# KiCad board Breadboard_power_supply.kicad_pcb (continued)
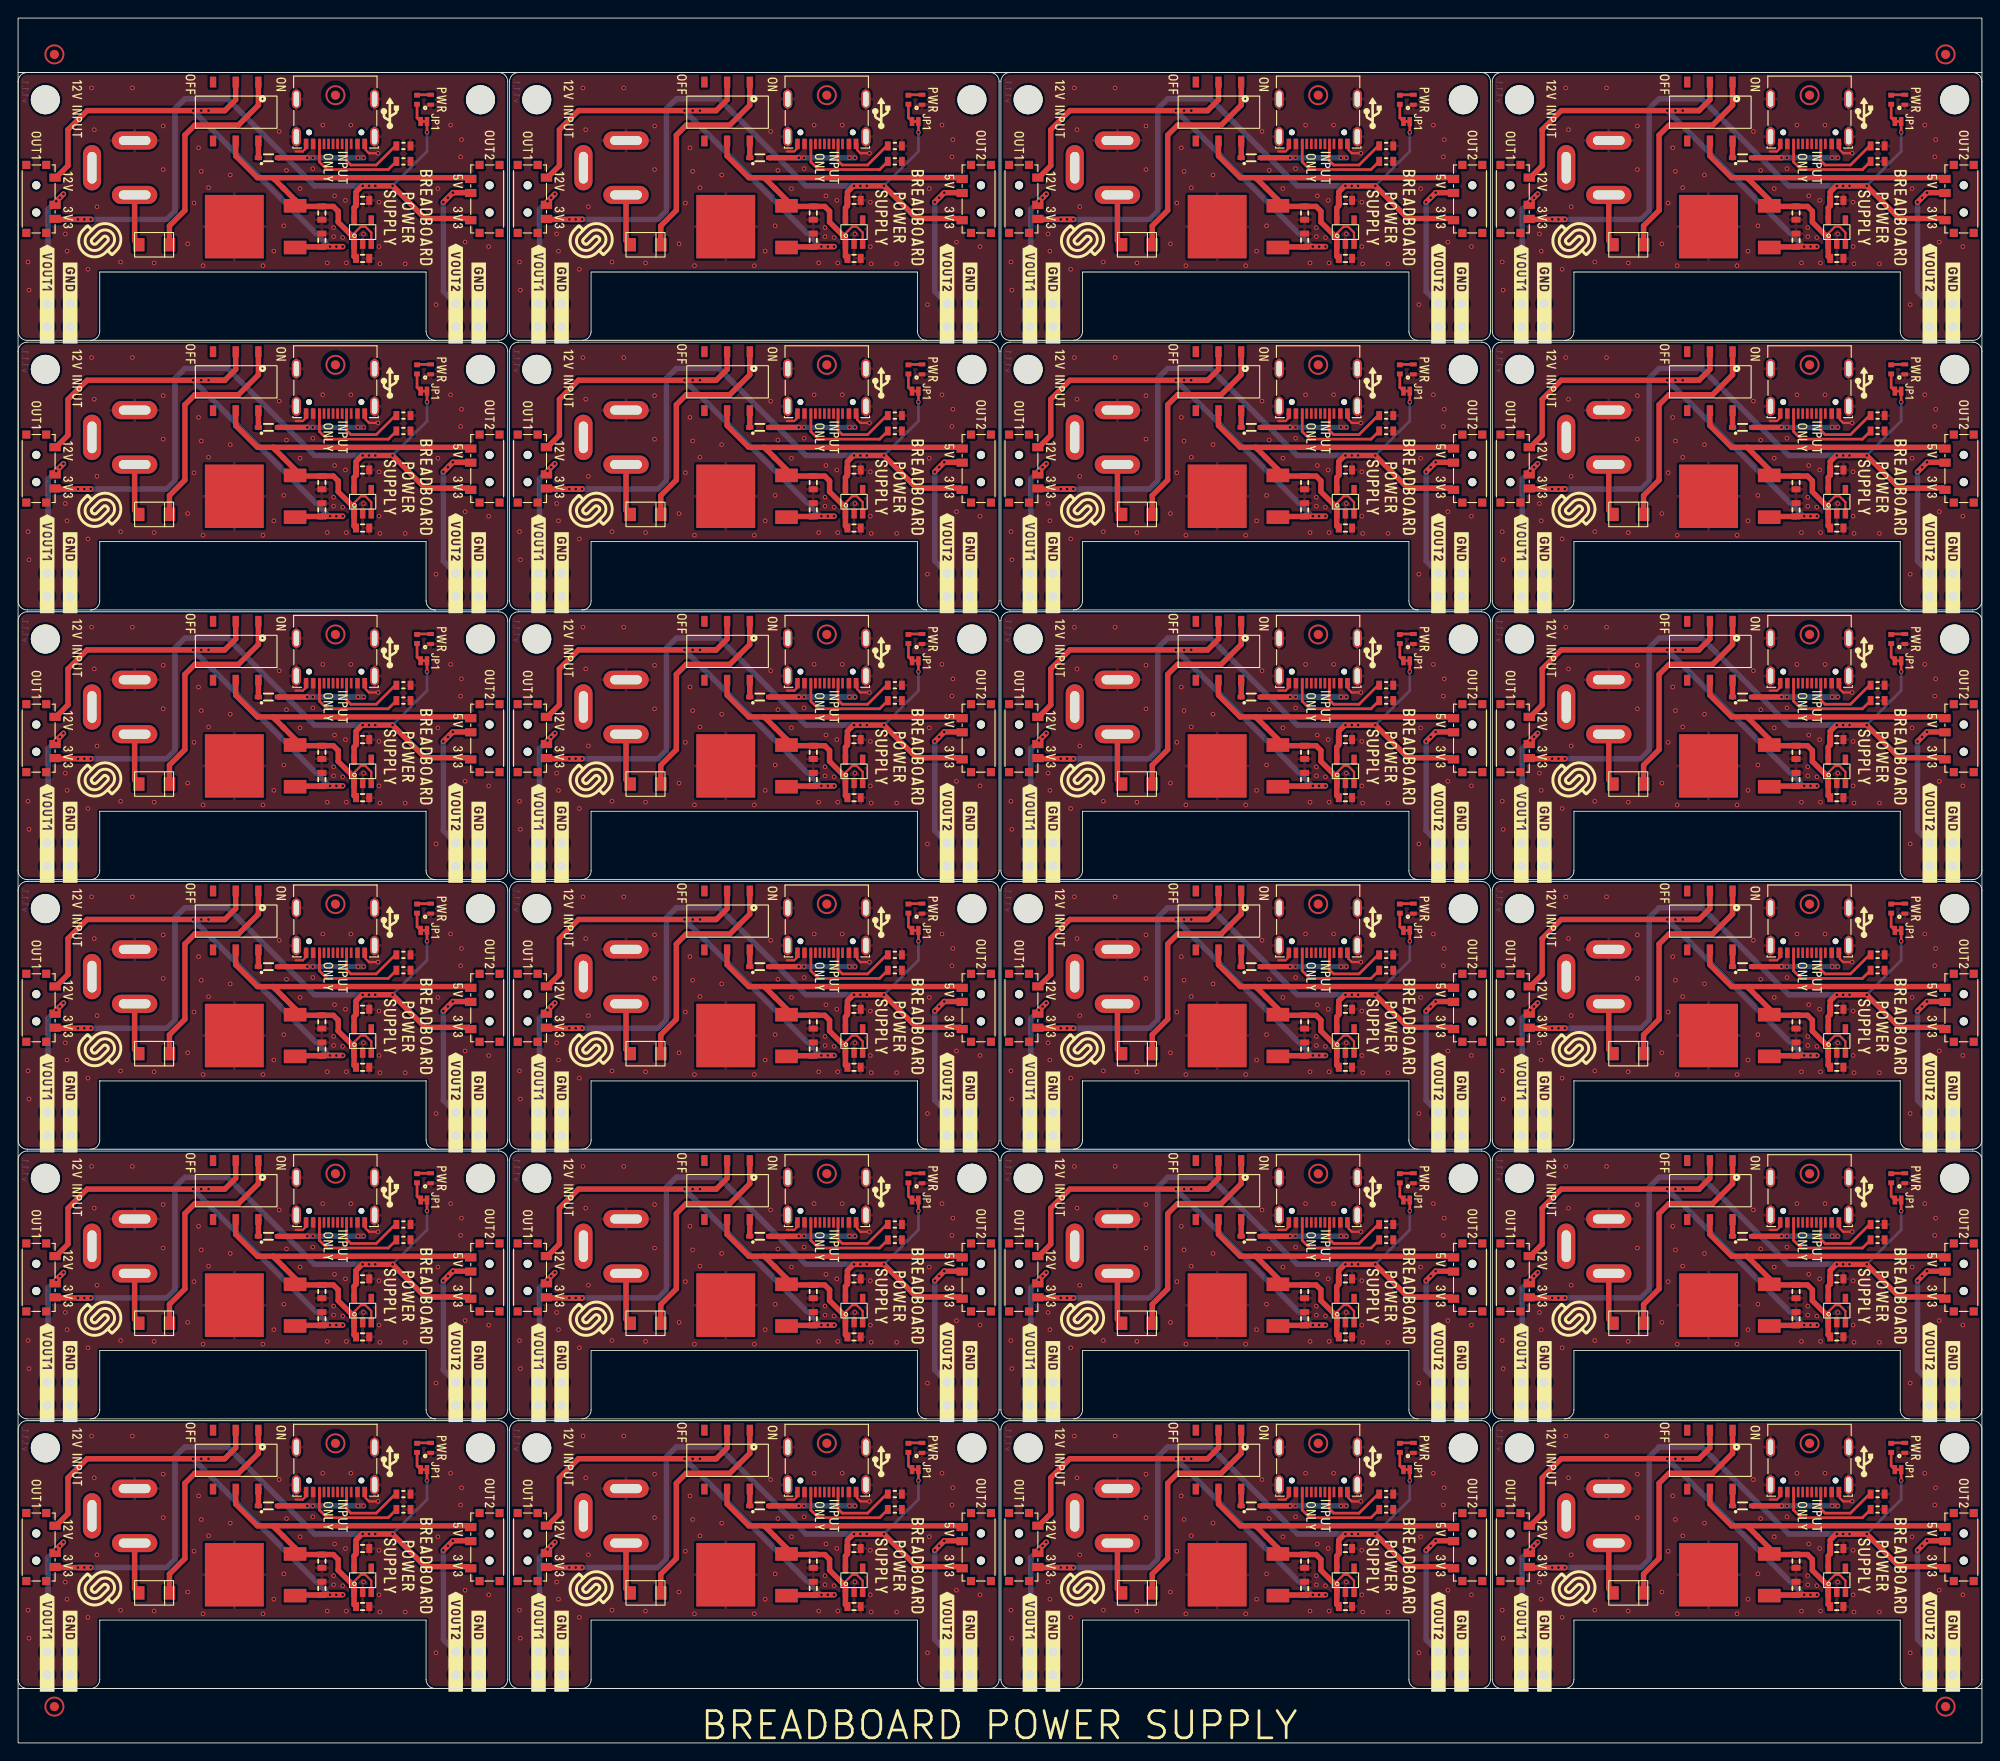
[diagram p0: board, top side]
## Placement (name value [footprint] x y rotation side) (continued)
K2#7  -  [DC_JACK]  173.1 173.74 90 top
K2#8  -  [DC_JACK]  173.1 54.78 90 top
K2#9  -  [DC_JACK]  118.9 114.26 90 top
K2#10  -  [DC_JACK]  64.7 144 90 top
K2#11  -  [DC_JACK]  118.9 54.78 90 top
K2#12  -  [DC_JACK]  173.1 25.04 90 top
K2#13  -  [DC_JACK]  173.1 114.26 90 top
K2#14  -  [DC_JACK]  118.9 25.04 90 top
K2#15  -  [DC_JACK]  64.7 54.78 90 top
K2#16  -  [DC_JACK]  173.1 144 90 top
K2#17  -  [DC_JACK]  64.7 114.26 90 top
K2#18  -  [DC_JACK]  118.9 84.52 90 top
K2#19  -  [DC_JACK]  10.5 25.04 90 top
K2#20  -  [DC_JACK]  10.5 54.78 90 top
K2#21  -  [DC_JACK]  10.5 114.26 90 top
K2#22  -  [DC_JACK]  173.1 84.52 90 top
K2#23  -  [DC_JACK]  10.5 84.52 90 top
K2#24  -  [DC_JACK]  118.9 144 90 top
K3  -  [HEADER_MALE_2X1]  58.67 10.04 180 bottom
K3#2  -  [HEADER_MALE_2X1]  58.67 69.52 180 bottom
K3#3  -  [HEADER_MALE_2X1]  4.47 129 180 bottom
K3#4  -  [HEADER_MALE_2X1]  58.67 158.74 180 bottom
K3#5  -  [HEADER_MALE_2X1]  58.67 129 180 bottom
K3#6  -  [HEADER_MALE_2X1]  4.47 158.74 180 bottom
K3#7  -  [HEADER_MALE_2X1]  167.07 39.78 180 bottom
K3#8  -  [HEADER_MALE_2X1]  167.07 158.74 180 bottom
K3#9  -  [HEADER_MALE_2X1]  4.47 69.52 180 bottom
K3#10  -  [HEADER_MALE_2X1]  112.87 158.74 180 bottom
K3#11  -  [HEADER_MALE_2X1]  4.47 10.04 180 bottom
K3#12  -  [HEADER_MALE_2X1]  167.07 99.26 180 bottom
K3#13  -  [HEADER_MALE_2X1]  58.67 99.26 180 bottom
K3#14  -  [HEADER_MALE_2X1]  167.07 69.52 180 bottom
K3#15  -  [HEADER_MALE_2X1]  112.87 39.78 180 bottom
K3#16  -  [HEADER_MALE_2X1]  112.87 99.26 180 bottom
K3#17  -  [HEADER_MALE_2X1]  112.87 129 180 bottom
K3#18  -  [HEADER_MALE_2X1]  112.87 69.52 180 bottom
K3#19  -  [HEADER_MALE_2X1]  4.47 39.78 180 bottom
K3#20  -  [HEADER_MALE_2X1]  167.07 129 180 bottom
K3#21  -  [HEADER_MALE_2X1]  167.07 10.04 180 bottom
K3#22  -  [HEADER_MALE_2X1]  4.47 99.26 180 bottom
K3#23  -  [HEADER_MALE_2X1]  112.87 10.04 180 bottom
K3#24  -  [HEADER_MALE_2X1]  58.67 39.78 180 bottom
K4  -  [HEADER_MALE_2X1]  103.73 69.52 180 bottom
K4#2  -  [HEADER_MALE_2X1]  212.13 99.26 180 bottom
K4#3  -  [HEADER_MALE_2X1]  157.93 10.04 180 bottom
K4#4  -  [HEADER_MALE_2X1]  157.93 99.26 180 bottom
K4#5  -  [HEADER_MALE_2X1]  212.13 10.04 180 bottom
K4#6  -  [HEADER_MALE_2X1]  49.53 99.26 180 bottom
K4#7  -  [HEADER_MALE_2X1]  49.53 39.78 180 bottom
K4#8  -  [HEADER_MALE_2X1]  49.53 129 180 bottom
K4#9  -  [HEADER_MALE_2X1]  49.53 10.04 180 bottom
K4#10  -  [HEADER_MALE_2X1]  157.93 69.52 180 bottom
K4#11  -  [HEADER_MALE_2X1]  212.13 39.78 180 bottom
K4#12  -  [HEADER_MALE_2X1]  103.73 39.78 180 bottom
K4#13  -  [HEADER_MALE_2X1]  103.73 129 180 bottom
K4#14  -  [HEADER_MALE_2X1]  49.53 158.74 180 bottom
K4#15  -  [HEADER_MALE_2X1]  157.93 129 180 bottom
K4#16  -  [HEADER_MALE_2X1]  103.73 158.74 180 bottom
K4#17  -  [HEADER_MALE_2X1]  157.93 158.74 180 bottom
K4#18  -  [HEADER_MALE_2X1]  103.73 10.04 180 bottom
K4#19  -  [HEADER_MALE_2X1]  49.53 69.52 180 bottom
K4#20  -  [HEADER_MALE_2X1]  212.13 129 180 bottom
K4#21  -  [HEADER_MALE_2X1]  103.73 99.26 180 bottom
K4#22  -  [HEADER_MALE_2X1]  157.93 39.78 180 bottom
K4#23  -  [HEADER_MALE_2X1]  212.13 158.74 180 bottom
K4#24  -  [HEADER_MALE_2X1]  212.13 69.52 180 bottom
K5  -  [HEADER_MALE_2X1]  167.07 7.5 180 bottom
K5#2  -  [HEADER_MALE_2X1]  4.47 156.2 180 bottom
K5#3  -  [HEADER_MALE_2X1]  112.87 37.24 180 bottom
K5#4  -  [HEADER_MALE_2X1]  58.67 156.2 180 bottom
K5#5  -  [HEADER_MALE_2X1]  167.07 66.98 180 bottom
K5#6  -  [HEADER_MALE_2X1]  4.47 37.24 180 bottom
K5#7  -  [HEADER_MALE_2X1]  4.47 126.46 180 bottom
K5#8  -  [HEADER_MALE_2X1]  58.67 126.46 180 bottom
K5#9  -  [HEADER_MALE_2X1]  58.67 66.98 180 bottom
K5#10  -  [HEADER_MALE_2X1]  58.67 7.5 180 bottom
K5#11  -  [HEADER_MALE_2X1]  112.87 126.46 180 bottom
K5#12  -  [HEADER_MALE_2X1]  167.07 96.72 180 bottom
K5#13  -  [HEADER_MALE_2X1]  112.87 66.98 180 bottom
K5#14  -  [HEADER_MALE_2X1]  112.87 7.5 180 bottom
K5#15  -  [HEADER_MALE_2X1]  58.67 96.72 180 bottom
K5#16  -  [HEADER_MALE_2X1]  167.07 126.46 180 bottom
K5#17  -  [HEADER_MALE_2X1]  112.87 96.72 180 bottom
K5#18  -  [HEADER_MALE_2X1]  112.87 156.2 180 bottom
K5#19  -  [HEADER_MALE_2X1]  4.47 66.98 180 bottom
K5#20  -  [HEADER_MALE_2X1]  58.67 37.24 180 bottom
K5#21  -  [HEADER_MALE_2X1]  167.07 156.2 180 bottom
K5#22  -  [HEADER_MALE_2X1]  4.47 96.72 180 bottom
K5#23  -  [HEADER_MALE_2X1]  167.07 37.24 180 bottom
K5#24  -  [HEADER_MALE_2X1]  4.47 7.5 180 bottom
K6  -  [HEADER_MALE_2X1]  103.73 66.98 180 bottom
K6#2  -  [HEADER_MALE_2X1]  157.93 66.98 180 bottom
K6#3  -  [HEADER_MALE_2X1]  49.53 156.2 180 bottom
K6#4  -  [HEADER_MALE_2X1]  212.13 156.2 180 bottom
K6#5  -  [HEADER_MALE_2X1]  157.93 96.72 180 bottom
K6#6  -  [HEADER_MALE_2X1]  212.13 126.46 180 bottom
K6#7  -  [HEADER_MALE_2X1]  157.93 156.2 180 bottom
K6#8  -  [HEADER_MALE_2X1]  103.73 96.72 180 bottom
K6#9  -  [HEADER_MALE_2X1]  103.73 126.46 180 bottom
K6#10  -  [HEADER_MALE_2X1]  157.93 7.5 180 bottom
K6#11  -  [HEADER_MALE_2X1]  103.73 156.2 180 bottom
K6#12  -  [HEADER_MALE_2X1]  103.73 37.24 180 bottom
K6#13  -  [HEADER_MALE_2X1]  49.53 96.72 180 bottom
K6#14  -  [HEADER_MALE_2X1]  157.93 126.46 180 bottom
K6#15  -  [HEADER_MALE_2X1]  157.93 37.24 180 bottom
K6#16  -  [HEADER_MALE_2X1]  49.53 7.5 180 bottom
K6#17  -  [HEADER_MALE_2X1]  212.13 66.98 180 bottom
K6#18  -  [HEADER_MALE_2X1]  49.53 126.46 180 bottom
K6#19  -  [HEADER_MALE_2X1]  212.13 7.5 180 bottom
K6#20  -  [HEADER_MALE_2X1]  49.53 37.24 180 bottom
K6#21  -  [HEADER_MALE_2X1]  212.13 96.72 180 bottom
K6#22  -  [HEADER_MALE_2X1]  212.13 37.24 180 bottom
K6#23  -  [HEADER_MALE_2X1]  49.53 66.98 180 bottom
K6#24  -  [HEADER_MALE_2X1]  103.73 7.5 180 bottom
NOREF  -  [buzzardLabel]  160.4 176.24 270 top
NOREF#2  -  [buzzardLabel]  100.9 92.02 270 top
NOREF#3  -  [buzzardLabel]  3.2 153.94 270 top
NOREF#4  -  [buzzardLabel]  205.6 79.02 270 top
NOREF#5  -  [buzzardLabel]  114.14 153.94 270 top
NOREF#6  -  [buzzardLabel]  214.6 116.76 270 top
NOREF#7  -  [buzzardLabel]  48.5 138.5 270 top
NOREF#8  -  [buzzardLabel]  160.4 146.5 270 top
NOREF#9  -  [buzzardLabel]  57.4 64.72 270 top
NOREF#10  -  [buzzardLabel]  168.34 94.46 270 top
NOREF#11  -  [buzzardLabel]  105 94.46 270 top
NOREF#12  -  [buzzardLabel]  59.7 19.54 270 top
NOREF#13  -  [buzzardLabel]  45 168.24 270 top
NOREF#14  -  [buzzardLabel]  29 93.72 270 top
NOREF#15  -  [buzzardLabel]  208.6 59.88 270 top
NOREF#16  -  [buzzardLabel]  207.6 19.54 270 top
NOREF#17  -  [buzzardLabel]  100.2 59.88 270 top
NOREF#18  -  [buzzardLabel]  207.6 168.24 270 top
NOREF#19  -  [buzzardLabel]  144.2 54.78 270 top
NOREF#20  -  [buzzardLabel]  213.4 124.2 270 top
NOREF#21  -  [buzzardLabel]  90 114.26 270 top
NOREF#22  -  [buzzardLabel]  60.7 91.02 270 top
NOREF#23  -  [buzzardLabel]  155.1 151.5 270 top
NOREF#24  -  [buzzardLabel]  34.2 144 270 top
NOREF#25  -  [buzzardLabel]  41 138.5 270 top
NOREF#26  -  [buzzardLabel]  100.2 30.14 270 top
NOREF#27  -  [buzzardLabel]  164.6 87.02 270 top
NOREF#28  -  [buzzardLabel]  203.6 108.76 270 top
NOREF#29  -  [buzzardLabel]  196.8 25.04 270 top
NOREF#30  -  [buzzardLabel]  34.2 84.52 270 top
NOREF#31  -  [buzzardLabel]  5.5 23.54 270 top
NOREF#32  -  [buzzardLabel]  149.4 49.28 270 top
NOREF#33  -  [buzzardLabel]  156.9 112.76 270 top
NOREF#34  -  [buzzardLabel]  90 144 270 top
NOREF#35  -  [buzzardLabel]  159.2 5.24 270 top
NOREF#36  -  [buzzardLabel]  106.2 176.24 270 top
NOREF#37  -  [buzzardLabel]  95.2 168.24 270 top
NOREF#38  -  [buzzardLabel]  113.9 142.5 270 top
NOREF#39  -  [buzzardLabel]  205.6 168.24 270 top
NOREF#40  -  [buzzardLabel]  169.1 120.76 270 top
NOREF#41  -  [buzzardLabel]  48.5 49.28 270 top
NOREF#42  -  [buzzardLabel]  111.6 5.24 270 top
NOREF#43  -  [buzzardLabel]  95.2 49.28 270 top
NOREF#44  -  [buzzardLabel]  156.66 124.2 270 top
NOREF#45  -  [buzzardLabel]  48.5 19.54 270 top
NOREF#46  -  [buzzardLabel]  88.4 54.78 270 top
NOREF#47  -  [buzzardLabel]  102.46 94.46 270 top
NOREF#48  -  [buzzardLabel]  41 79.02 270 top
NOREF#49  -  [buzzardLabel]  102.7 138.5 270 top
NOREF#50  -  [buzzardLabel]  196.8 173.74 270 top
NOREF#51  -  [buzzardLabel]  196.8 114.26 270 top
NOREF#52  -  [buzzardLabel]  159.2 153.94 270 top
NOREF#53  -  [buzzardLabel]  5.5 19.54 270 top
NOREF#54  -  [buzzardLabel]  137.4 63.98 270 top
NOREF#55  -  [buzzardLabel]  73.2 63.98 270 top
NOREF#56  -  [buzzardLabel]  209.3 32.54 270 top
NOREF#57  -  [buzzardLabel]  52 57.28 270 top
NOREF#58  -  [buzzardLabel]  154.4 30.14 270 top
NOREF#59  -  [buzzardLabel]  46 178.84 270 top
NOREF#60  -  [buzzardLabel]  114.9 61.28 270 top
NOREF#61  -  [buzzardLabel]  153.4 49.28 270 top
NOREF#62  -  [buzzardLabel]  50.8 124.2 270 top
NOREF#63  -  [buzzardLabel]  142.6 173.74 270 top
NOREF#64  -  [buzzardLabel]  102.7 23.54 270 top
NOREF#65  -  [buzzardLabel]  168.34 5.24 270 top
NOREF#66  -  [buzzardLabel]  3.2 124.2 270 top
NOREF#67  -  [buzzardLabel]  34.2 25.04 270 top
NOREF#68  -  [buzzardLabel]  90 25.04 270 top
NOREF#69  -  [buzzardLabel]  114.14 94.46 270 top
NOREF#70  -  [buzzardLabel]  46.7 151.5 270 top
NOREF#71  -  [buzzardLabel]  59.7 108.76 270 top
NOREF#72  -  [buzzardLabel]  45 49.28 270 top
NOREF#73  -  [buzzardLabel]  155.1 62.28 270 top
NOREF#74  -  [buzzardLabel]  57.4 5.24 270 top
NOREF#75  -  [buzzardLabel]  114.9 91.02 270 top
NOREF#76  -  [buzzardLabel]  156.66 153.94 270 top
NOREF#77  -  [buzzardLabel]  100.2 119.36 270 top
NOREF#78  -  [buzzardLabel]  97.2 168.24 270 top
NOREF#79  -  [buzzardLabel]  46 59.88 270 top
NOREF#80  -  [buzzardLabel]  59.7 83.02 270 top
NOREF#81  -  [buzzardLabel]  46 89.62 270 top
NOREF#82  -  [buzzardLabel]  102.46 5.24 270 top
NOREF#83  -  [buzzardLabel]  156.9 172.24 270 top
NOREF#84  -  [buzzardLabel]  151.4 138.5 270 top
NOREF#85  -  [buzzardLabel]  144.2 25.04 270 top
NOREF#86  -  [buzzardLabel]  211.1 142.5 270 top
NOREF#87  -  [buzzardLabel]  208.6 178.84 270 top
NOREF#88  -  [buzzardLabel]  142.6 54.78 270 top
NOREF#89  -  [buzzardLabel]  97.2 108.76 270 top
NOREF#90  -  [buzzardLabel]  111.6 153.94 270 top
NOREF#91  -  [buzzardLabel]  151.4 49.28 270 top
NOREF#92  -  [buzzardLabel]  48.5 23.54 270 top
NOREF#93  -  [buzzardLabel]  168.34 124.2 270 top
NOREF#94  -  [buzzardLabel]  102.7 79.02 270 top
NOREF#95  -  [buzzardLabel]  46 30.14 270 top
NOREF#96  -  [buzzardLabel]  2 87.02 270 top
NOREF#97  -  [buzzardLabel]  5.74 64.72 270 top
NOREF#98  -  [buzzardLabel]  156.9 138.5 270 top
NOREF#99  -  [buzzardLabel]  154.4 149.1 270 top
NOREF#100  -  [buzzardLabel]  156.66 64.72 270 top
NOREF#101  -  [buzzardLabel]  56.2 146.5 270 top
NOREF#102  -  [buzzardLabel]  6.5 180.24 270 top
NOREF#103  -  [buzzardLabel]  19 34.24 270 top
NOREF#104  -  [buzzardLabel]  45 138.5 270 top
NOREF#105  -  [buzzardLabel]  29 63.98 270 top
NOREF#106  -  [buzzardLabel]  113.9 108.76 270 top
NOREF#107  -  [buzzardLabel]  102.7 112.76 270 top
NOREF#108  -  [buzzardLabel]  48.26 34.98 270 top
NOREF#109  -  [buzzardLabel]  113.9 172.24 270 top
NOREF#110  -  [buzzardLabel]  156.9 79.02 270 top
NOREF#111  -  [buzzardLabel]  60.7 120.76 270 top
NOREF#112  -  [buzzardLabel]  196.8 54.78 270 top
NOREF#113  -  [buzzardLabel]  160.4 57.28 270 top
NOREF#114  -  [buzzardLabel]  5.74 124.2 270 top
NOREF#115  -  [buzzardLabel]  214.6 57.28 270 top
NOREF#116  -  [buzzardLabel]  59.7 53.28 270 top
NOREF#117  -  [buzzardLabel]  56.2 87.02 270 top
NOREF#118  -  [buzzardLabel]  6.5 31.54 270 top
NOREF#119  -  [buzzardLabel]  83.2 34.24 270 top
NOREF#120  -  [buzzardLabel]  5.5 53.28 270 top
NOREF#121  -  [buzzardLabel]  52 87.02 270 top
NOREF#122  -  [buzzardLabel]  169.1 180.24 270 top
NOREF#123  -  [buzzardLabel]  106.2 146.5 270 top
NOREF#124  -  [buzzardLabel]  19 153.2 270 top
NOREF#125  -  [buzzardLabel]  198.4 144 270 top
NOREF#126  -  [buzzardLabel]  48.5 53.28 270 top
NOREF#127  -  [buzzardLabel]  127.4 93.72 270 top
NOREF#128  -  [buzzardLabel]  156.9 108.76 270 top
NOREF#129  -  [buzzardLabel]  191.6 182.94 270 top
NOREF#130  -  [buzzardLabel]  181.6 93.72 270 top
NOREF#131  -  [buzzardLabel]  210.86 124.2 270 top
NOREF#132  -  [buzzardLabel]  59.7 79.02 270 top
NOREF#133  -  [buzzardLabel]  5.5 142.5 270 top
NOREF#134  -  [buzzardLabel]  56.2 176.24 270 top
NOREF#135  -  [buzzardLabel]  169.1 91.02 270 top
NOREF#136  -  [buzzardLabel]  60.7 61.28 270 top
NOREF#137  -  [buzzardLabel]  88.4 114.26 270 top
NOREF#138  -  [buzzardLabel]  168.1 53.28 270 top
NOREF#139  -  [buzzardLabel]  165.8 64.72 270 top
NOREF#140  -  [buzzardLabel]  73.2 182.94 270 top
NOREF#141  -  [buzzardLabel]  211.1 168.24 270 top
NOREF#142  -  [buzzardLabel]  2 27.54 270 top
NOREF#143  -  [buzzardLabel]  41 19.54 270 top
NOREF#144  -  [buzzardLabel]  45 79.02 270 top
NOREF#145  -  [buzzardLabel]  59.94 153.94 270 top
NOREF#146  -  [buzzardLabel]  168.1 138.5 270 top
NOREF#147  -  [buzzardLabel]  106.2 27.54 270 top
NOREF#148  -  [buzzardLabel]  149.4 138.5 270 top
NOREF#149  -  [buzzardLabel]  34.2 114.26 270 top
NOREF#150  -  [buzzardLabel]  114.9 120.76 270 top
NOREF#151  -  [buzzardLabel]  90 173.74 270 top
NOREF#152  -  [buzzardLabel]  35.8 173.74 270 top
NOREF#153  -  [buzzardLabel]  181.6 182.94 270 top
NOREF#154  -  [buzzardLabel]  99.2 168.24 270 top
NOREF#155  -  [buzzardLabel]  59.94 64.72 270 top
NOREF#156  -  [buzzardLabel]  48.26 5.24 270 top
NOREF#157  -  [buzzardLabel]  191.6 153.2 270 top
NOREF#158  -  [buzzardLabel]  45 19.54 270 top
NOREF#159  -  [buzzardLabel]  105 64.72 270 top
NOREF#160  -  [buzzardLabel]  211.1 79.02 270 top
NOREF#161  -  [buzzardLabel]  203.6 138.5 270 top
NOREF#162  -  [buzzardLabel]  154.4 119.36 270 top
NOREF#163  -  [buzzardLabel]  149.4 19.54 270 top
NOREF#164  -  [buzzardLabel]  211.1 83.02 270 top
NOREF#165  -  [buzzardLabel]  100.2 149.1 270 top
NOREF#166  -  [buzzardLabel]  153.4 79.02 270 top
NOREF#167  -  [buzzardLabel]  144.2 173.74 270 top
NOREF#168  -  [buzzardLabel]  2 146.5 270 top
NOREF#169  -  [buzzardLabel]  43 138.5 270 top
NOREF#170  -  [buzzardLabel]  88.4 84.52 270 top
NOREF#171  -  [buzzardLabel]  48.5 83.02 270 top
NOREF#172  -  [buzzardLabel]  208.6 30.14 270 top
NOREF#173  -  [buzzardLabel]  57.4 124.2 270 top
NOREF#174  -  [buzzardLabel]  165.8 153.94 270 top
NOREF#175  -  [buzzardLabel]  99.2 79.02 270 top
NOREF#176  -  [buzzardLabel]  100.9 181.24 270 top
NOREF#177  -  [buzzardLabel]  168.1 83.02 270 top
NOREF#178  -  [buzzardLabel]  159.2 124.2 270 top
NOREF#179  -  [buzzardLabel]  83.2 182.94 270 top
NOREF#180  -  [buzzardLabel]  5.5 49.28 270 top
NOREF#181  -  [buzzardLabel]  100.9 121.76 270 top
NOREF#182  -  [buzzardLabel]  160.4 87.02 270 top
NOREF#183  -  [buzzardLabel]  48.26 94.46 270 top
NOREF#184  -  [buzzardLabel]  106.2 87.02 270 top
NOREF#185  -  [buzzardLabel]  59.7 172.24 270 top
NOREF#186  -  [buzzardLabel]  156.9 49.28 270 top
NOREF#187  -  [buzzardLabel]  59.7 138.5 270 top
NOREF#188  -  [buzzardLabel]  142.6 84.52 270 top
NOREF#189  -  [buzzardLabel]  41 108.76 270 top
NOREF#190  -  [buzzardLabel]  113.9 168.24 270 top
NOREF#191  -  [buzzardLabel]  196.8 84.52 270 top
NOREF#192  -  [buzzardLabel]  198.4 173.74 270 top
NOREF#193  -  [buzzardLabel]  113.9 53.28 270 top
NOREF#194  -  [buzzardLabel]  137.4 182.94 270 top
NOREF#195  -  [buzzardLabel]  168.1 23.54 270 top
NOREF#196  -  [buzzardLabel]  57.4 34.98 270 top
NOREF#197  -  [buzzardLabel]  111.6 124.2 270 top
NOREF#198  -  [buzzardLabel]  142.6 144 270 top
NOREF#199  -  [buzzardLabel]  50.8 64.72 270 top
NOREF#200  -  [buzzardLabel]  160.4 27.54 270 top
NOREF#201  -  [buzzardLabel]  3.2 64.72 270 top
NOREF#202  -  [buzzardLabel]  100.2 178.84 270 top
NOREF#203  -  [buzzardLabel]  6.5 61.28 270 top
NOREF#204  -  [buzzardLabel]  43 79.02 270 top
NOREF#205  -  [buzzardLabel]  59.7 23.54 270 top
NOREF#206  -  [buzzardLabel]  211.1 108.76 270 top
NOREF#207  -  [buzzardLabel]  210.86 153.94 270 top
NOREF#208  -  [buzzardLabel]  2 176.24 270 top
NOREF#209  -  [buzzardLabel]  142.6 114.26 270 top
NOREF#210  -  [buzzardLabel]  102.46 124.2 270 top
NOREF#211  -  [buzzardLabel]  164.6 146.5 270 top
NOREF#212  -  [buzzardLabel]  113.9 112.76 270 top
NOREF#213  -  [buzzardLabel]  169.1 31.54 270 top
NOREF#214  -  [buzzardLabel]  208.6 149.1 270 top
NOREF#215  -  [buzzardLabel]  211.1 53.28 270 top
NOREF#216  -  [buzzardLabel]  151.4 168.24 270 top
NOREF#217  -  [buzzardLabel]  191.6 63.98 270 top
NOREF#218  -  [buzzardLabel]  153.4 168.24 270 top
NOREF#219  -  [buzzardLabel]  164.6 57.28 270 top
NOREF#220  -  [buzzardLabel]  105 124.2 270 top
NOREF#221  -  [buzzardLabel]  106.2 116.76 270 top
NOREF#222  -  [buzzardLabel]  73.2 34.24 270 top
NOREF#223  -  [buzzardLabel]  60.7 150.5 270 top
NOREF#224  -  [buzzardLabel]  168.34 153.94 270 top
NOREF#225  -  [buzzardLabel]  156.9 19.54 270 top
NOREF#226  -  [buzzardLabel]  5.5 108.76 270 top
NOREF#227  -  [buzzardLabel]  48.5 172.24 270 top
NOREF#228  -  [buzzardLabel]  214.6 27.54 270 top
NOREF#229  -  [buzzardLabel]  5.74 94.46 270 top
NOREF#230  -  [buzzardLabel]  214.6 146.5 270 top
NOREF#231  -  [buzzardLabel]  203.6 79.02 270 top
NOREF#232  -  [buzzardLabel]  2 116.76 270 top
NOREF#233  -  [buzzardLabel]  168.1 172.24 270 top
NOREF#234  -  [buzzardLabel]  90 54.78 270 top
NOREF#235  -  [buzzardLabel]  110.4 87.02 270 top
NOREF#236  -  [buzzardLabel]  196.8 144 270 top
NOREF#237  -  [buzzardLabel]  46.7 32.54 270 top
NOREF#238  -  [buzzardLabel]  168.1 112.76 270 top
NOREF#239  -  [buzzardLabel]  102.46 34.98 270 top
NOREF#240  -  [buzzardLabel]  159.2 94.46 270 top
NOREF#241  -  [buzzardLabel]  29 182.94 270 top
NOREF#242  -  [buzzardLabel]  19 63.98 270 top
NOREF#243  -  [buzzardLabel]  209.3 62.28 270 top
NOREF#244  -  [buzzardLabel]  59.7 168.24 270 top
NOREF#245  -  [buzzardLabel]  56.2 57.28 270 top
NOREF#246  -  [buzzardLabel]  110.4 116.76 270 top
NOREF#247  -  [buzzardLabel]  113.9 49.28 270 top
NOREF#248  -  [buzzardLabel]  208.6 119.36 270 top
NOREF#249  -  [buzzardLabel]  100.9 32.54 270 top
NOREF#250  -  [buzzardLabel]  105 153.94 270 top
NOREF#251  -  [buzzardLabel]  113.9 83.02 270 top
NOREF#252  -  [buzzardLabel]  149.4 108.76 270 top
NOREF#253  -  [buzzardLabel]  205.6 138.5 270 top
NOREF#254  -  [buzzardLabel]  102.7 83.02 270 top
NOREF#255  -  [buzzardLabel]  198.4 114.26 270 top
NOREF#256  -  [buzzardLabel]  209.3 151.5 270 top
NOREF#257  -  [buzzardLabel]  127.4 123.46 270 top
NOREF#258  -  [buzzardLabel]  83.2 153.2 270 top
NOREF#259  -  [buzzardLabel]  168.1 19.54 270 top
NOREF#260  -  [buzzardLabel]  48.5 108.76 270 top
NOREF#261  -  [buzzardLabel]  34.2 54.78 270 top
NOREF#262  -  [buzzardLabel]  137.4 34.24 270 top
NOREF#263  -  [buzzardLabel]  56.2 27.54 270 top
NOREF#264  -  [buzzardLabel]  209.3 92.02 270 top
NOREF#265  -  [buzzardLabel]  137.4 123.46 270 top
NOREF#266  -  [buzzardLabel]  113.9 23.54 270 top
NOREF#267  -  [buzzardLabel]  164.6 176.24 270 top
NOREF#268  -  [buzzardLabel]  59.94 34.98 270 top
NOREF#269  -  [buzzardLabel]  50.8 5.24 270 top
NOREF#270  -  [buzzardLabel]  43 49.28 270 top
NOREF#271  -  [buzzardLabel]  102.46 64.72 270 top
NOREF#272  -  [buzzardLabel]  46.7 121.76 270 top
NOREF#273  -  [buzzardLabel]  213.4 64.72 270 top
NOREF#274  -  [buzzardLabel]  5.74 34.98 270 top
NOREF#275  -  [buzzardLabel]  156.66 5.24 270 top
NOREF#276  -  [buzzardLabel]  164.6 27.54 270 top
NOREF#277  -  [buzzardLabel]  127.4 63.98 270 top
NOREF#278  -  [buzzardLabel]  191.6 34.24 270 top
NOREF#279  -  [buzzardLabel]  198.4 25.04 270 top
NOREF#280  -  [buzzardLabel]  149.4 168.24 270 top
NOREF#281  -  [buzzardLabel]  73.2 93.72 270 top
NOREF#282  -  [buzzardLabel]  5.5 112.76 270 top
NOREF#283  -  [buzzardLabel]  6.5 91.02 270 top
NOREF#284  -  [buzzardLabel]  151.4 108.76 270 top
NOREF#285  -  [buzzardLabel]  168.34 34.98 270 top
NOREF#286  -  [buzzardLabel]  155.1 32.54 270 top
NOREF#287  -  [buzzardLabel]  48.26 124.2 270 top
NOREF#288  -  [buzzardLabel]  113.9 79.02 270 top
NOREF#289  -  [buzzardLabel]  50.8 94.46 270 top
NOREF#290  -  [buzzardLabel]  208.6 89.62 270 top
NOREF#291  -  [buzzardLabel]  6.5 150.5 270 top
NOREF#292  -  [buzzardLabel]  46.7 181.24 270 top
NOREF#293  -  [buzzardLabel]  169.1 150.5 270 top
NOREF#294  -  [buzzardLabel]  111.6 34.98 270 top
NOREF#295  -  [buzzardLabel]  50.8 153.94 270 top
NOREF#296  -  [buzzardLabel]  95.2 79.02 270 top
NOREF#297  -  [buzzardLabel]  46 149.1 270 top
NOREF#298  -  [buzzardLabel]  88.4 25.04 270 top
NOREF#299  -  [buzzardLabel]  48.5 79.02 270 top
NOREF#300  -  [buzzardLabel]  59.94 94.46 270 top
NOREF#301  -  [buzzardLabel]  5.5 168.24 270 top
NOREF#302  -  [buzzardLabel]  114.9 150.5 270 top
NOREF#303  -  [buzzardLabel]  19 182.94 270 top
NOREF#304  -  [buzzardLabel]  102.7 108.76 270 top
NOREF#305  -  [buzzardLabel]  5.5 172.24 270 top
NOREF#306  -  [buzzardLabel]  159.2 34.98 270 top
NOREF#307  -  [buzzardLabel]  43 19.54 270 top
NOREF#308  -  [buzzardLabel]  43 168.24 270 top
NOREF#309  -  [buzzardLabel]  168.1 49.28 270 top
NOREF#310  -  [buzzardLabel]  5.5 138.5 270 top
NOREF#311  -  [buzzardLabel]  110.4 57.28 270 top
NOREF#312  -  [buzzardLabel]  41 168.24 270 top
NOREF#313  -  [buzzardLabel]  6.5 120.76 270 top
NOREF#314  -  [buzzardLabel]  48.5 112.76 270 top
NOREF#315  -  [buzzardLabel]  100.9 62.28 270 top
NOREF#316  -  [buzzardLabel]  154.4 59.88 270 top
NOREF#317  -  [buzzardLabel]  113.9 19.54 270 top
NOREF#318  -  [buzzardLabel]  48.5 142.5 270 top
NOREF#319  -  [buzzardLabel]  205.6 49.28 270 top
NOREF#320  -  [buzzardLabel]  191.6 93.72 270 top
NOREF#321  -  [buzzardLabel]  3.2 34.98 270 top
NOREF#322  -  [buzzardLabel]  213.4 5.24 270 top
NOREF#323  -  [buzzardLabel]  181.6 153.2 270 top
NOREF#324  -  [buzzardLabel]  144.2 144 270 top
NOREF#325  -  [buzzardLabel]  97.2 19.54 270 top
NOREF#326  -  [buzzardLabel]  56.2 116.76 270 top
NOREF#327  -  [buzzardLabel]  209.3 181.24 270 top
NOREF#328  -  [buzzardLabel]  165.8 124.2 270 top
NOREF#329  -  [buzzardLabel]  155.1 92.02 270 top
NOREF#330  -  [buzzardLabel]  57.4 94.46 270 top
NOREF#331  -  [buzzardLabel]  114.9 31.54 270 top
NOREF#332  -  [buzzardLabel]  5.5 83.02 270 top
NOREF#333  -  [buzzardLabel]  210.86 94.46 270 top
NOREF#334  -  [buzzardLabel]  100.2 89.62 270 top
NOREF#335  -  [buzzardLabel]  211.1 138.5 270 top
NOREF#336  -  [buzzardLabel]  52 146.5 270 top
NOREF#337  -  [buzzardLabel]  181.6 34.24 270 top
NOREF#338  -  [buzzardLabel]  35.8 54.78 270 top
NOREF#339  -  [buzzardLabel]  73.2 123.46 270 top
NOREF#340  -  [buzzardLabel]  5.74 5.24 270 top
NOREF#341  -  [buzzardLabel]  156.9 23.54 270 top
NOREF#342  -  [buzzardLabel]  127.4 153.2 270 top
NOREF#343  -  [buzzardLabel]  205.6 19.54 270 top
NOREF#344  -  [buzzardLabel]  35.8 84.52 270 top
NOREF#345  -  [buzzardLabel]  46 119.36 270 top
NOREF#346  -  [buzzardLabel]  127.4 182.94 270 top
NOREF#347  -  [buzzardLabel]  156.9 53.28 270 top
NOREF#348  -  [buzzardLabel]  211.1 49.28 270 top
NOREF#349  -  [buzzardLabel]  102.7 49.28 270 top
NOREF#350  -  [buzzardLabel]  210.86 34.98 270 top
NOREF#351  -  [buzzardLabel]  214.6 176.24 270 top
NOREF#352  -  [buzzardLabel]  29 123.46 270 top
NOREF#353  -  [buzzardLabel]  203.6 168.24 270 top
NOREF#354  -  [buzzardLabel]  156.66 34.98 270 top
NOREF#355  -  [buzzardLabel]  41 49.28 270 top
NOREF#356  -  [buzzardLabel]  3.2 5.24 270 top
NOREF#357  -  [buzzardLabel]  95.2 138.5 270 top
NOREF#358  -  [buzzardLabel]  99.2 49.28 270 top
NOREF#359  -  [buzzardLabel]  156.9 142.5 270 top
NOREF#360  -  [buzzardLabel]  137.4 93.72 270 top
NOREF#361  -  [buzzardLabel]  168.34 64.72 270 top
NOREF#362  -  [buzzardLabel]  153.4 19.54 270 top
NOREF#363  -  [buzzardLabel]  83.2 123.46 270 top
NOREF#364  -  [buzzardLabel]  97.2 49.28 270 top
NOREF#365  -  [buzzardLabel]  114.9 180.24 270 top
NOREF#366  -  [buzzardLabel]  211.1 172.24 270 top
NOREF#367  -  [buzzardLabel]  52 116.76 270 top
NOREF#368  -  [buzzardLabel]  153.4 108.76 270 top
NOREF#369  -  [buzzardLabel]  137.4 153.2 270 top
NOREF#370  -  [buzzardLabel]  99.2 108.76 270 top
NOREF#371  -  [buzzardLabel]  35.8 144 270 top
NOREF#372  -  [buzzardLabel]  156.66 94.46 270 top
NOREF#373  -  [buzzardLabel]  211.1 19.54 270 top
NOREF#374  -  [buzzardLabel]  153.4 138.5 270 top
NOREF#375  -  [buzzardLabel]  156.9 168.24 270 top
NOREF#376  -  [buzzardLabel]  214.6 87.02 270 top
NOREF#377  -  [buzzardLabel]  203.6 49.28 270 top
NOREF#378  -  [buzzardLabel]  45 108.76 270 top
NOREF#379  -  [buzzardLabel]  83.2 63.98 270 top
NOREF#380  -  [buzzardLabel]  168.1 168.24 270 top
NOREF#381  -  [buzzardLabel]  169.1 61.28 270 top
NOREF#382  -  [buzzardLabel]  165.8 94.46 270 top
NOREF#383  -  [buzzardLabel]  90 84.52 270 top
NOREF#384  -  [buzzardLabel]  127.4 34.24 270 top
NOREF#385  -  [buzzardLabel]  164.6 116.76 270 top
NOREF#386  -  [buzzardLabel]  149.4 79.02 270 top
NOREF#387  -  [buzzardLabel]  2 57.28 270 top
NOREF#388  -  [buzzardLabel]  106.2 57.28 270 top
NOREF#389  -  [buzzardLabel]  155.1 121.76 270 top
NOREF#390  -  [buzzardLabel]  29 34.24 270 top
NOREF#391  -  [buzzardLabel]  105 34.98 270 top
NOREF#392  -  [buzzardLabel]  156.9 83.02 270 top
NOREF#393  -  [buzzardLabel]  88.4 144 270 top
NOREF#394  -  [buzzardLabel]  155.1 181.24 270 top
NOREF#395  -  [buzzardLabel]  34.2 173.74 270 top
NOREF#396  -  [buzzardLabel]  97.2 138.5 270 top
NOREF#397  -  [buzzardLabel]  151.4 19.54 270 top
NOREF#398  -  [buzzardLabel]  59.7 142.5 270 top
NOREF#399  -  [buzzardLabel]  102.7 168.24 270 top
NOREF#400  -  [buzzardLabel]  110.4 146.5 270 top
NOREF#401  -  [buzzardLabel]  48.5 168.24 270 top
NOREF#402  -  [buzzardLabel]  50.8 34.98 270 top
NOREF#403  -  [buzzardLabel]  181.6 123.46 270 top
NOREF#404  -  [buzzardLabel]  213.4 94.46 270 top
NOREF#405  -  [buzzardLabel]  105 5.24 270 top
NOREF#406  -  [buzzardLabel]  43 108.76 270 top
NOREF#407  -  [buzzardLabel]  211.1 112.76 270 top
NOREF#408  -  [buzzardLabel]  19 123.46 270 top
NOREF#409  -  [buzzardLabel]  83.2 93.72 270 top
NOREF#410  -  [buzzardLabel]  48.26 64.72 270 top
NOREF#411  -  [buzzardLabel]  113.9 138.5 270 top
NOREF#412  -  [buzzardLabel]  160.4 116.76 270 top
NOREF#413  -  [buzzardLabel]  5.5 79.02 270 top
NOREF#414  -  [buzzardLabel]  35.8 114.26 270 top
NOREF#415  -  [buzzardLabel]  52 27.54 270 top
NOREF#416  -  [buzzardLabel]  88.4 173.74 270 top
NOREF#417  -  [buzzardLabel]  59.94 124.2 270 top
NOREF#418  -  [buzzardLabel]  114.14 64.72 270 top
NOREF#419  -  [buzzardLabel]  207.6 49.28 270 top
NOREF#420  -  [buzzardLabel]  35.8 25.04 270 top
NOREF#421  -  [buzzardLabel]  154.4 89.62 270 top
NOREF#422  -  [buzzardLabel]  168.1 79.02 270 top
NOREF#423  -  [buzzardLabel]  165.8 5.24 270 top
NOREF#424  -  [buzzardLabel]  95.2 108.76 270 top
NOREF#425  -  [buzzardLabel]  46.7 92.02 270 top
NOREF#426  -  [buzzardLabel]  210.86 5.24 270 top
NOREF#427  -  [buzzardLabel]  102.7 172.24 270 top
NOREF#428  -  [buzzardLabel]  203.6 19.54 270 top
NOREF#429  -  [buzzardLabel]  52 176.24 270 top
NOREF#430  -  [buzzardLabel]  213.4 153.94 270 top
NOREF#431  -  [buzzardLabel]  5.74 153.94 270 top
NOREF#432  -  [buzzardLabel]  59.94 5.24 270 top
NOREF#433  -  [buzzardLabel]  209.3 121.76 270 top
NOREF#434  -  [buzzardLabel]  29 153.2 270 top
NOREF#435  -  [buzzardLabel]  110.4 176.24 270 top
NOREF#436  -  [buzzardLabel]  3.2 94.46 270 top
NOREF#437  -  [buzzardLabel]  97.2 79.02 270 top
NOREF#438  -  [buzzardLabel]  99.2 19.54 270 top
NOREF#439  -  [buzzardLabel]  100.9 151.5 270 top
NOREF#440  -  [buzzardLabel]  111.6 94.46 270 top
NOREF#441  -  [buzzardLabel]  60.7 180.24 270 top
NOREF#442  -  [buzzardLabel]  144.2 84.52 270 top
NOREF#443  -  [buzzardLabel]  102.7 19.54 270 top
NOREF#444  -  [buzzardLabel]  154.4 178.84 270 top
NOREF#445  -  [buzzardLabel]  159.2 64.72 270 top
NOREF#446  -  [buzzardLabel]  191.6 123.46 270 top
NOREF#447  -  [buzzardLabel]  111.6 64.72 270 top
NOREF#448  -  [buzzardLabel]  142.6 25.04 270 top
NOREF#449  -  [buzzardLabel]  168.1 142.5 270 top
NOREF#450  -  [buzzardLabel]  207.6 79.02 270 top
NOREF#451  -  [buzzardLabel]  114.14 34.98 270 top
NOREF#452  -  [buzzardLabel]  144.2 114.26 270 top
NOREF#453  -  [buzzardLabel]  198.4 54.78 270 top
NOREF#454  -  [buzzardLabel]  59.7 49.28 270 top
NOREF#455  -  [buzzardLabel]  19 93.72 270 top
NOREF#456  -  [buzzardLabel]  205.6 108.76 270 top
NOREF#457  -  [buzzardLabel]  165.8 34.98 270 top
NOREF#458  -  [buzzardLabel]  181.6 63.98 270 top
NOREF#459  -  [buzzardLabel]  210.86 64.72 270 top
NOREF#460  -  [buzzardLabel]  114.14 5.24 270 top
NOREF#461  -  [buzzardLabel]  213.4 34.98 270 top
NOREF#462  -  [buzzardLabel]  46.7 62.28 270 top
NOREF#463  -  [buzzardLabel]  151.4 79.02 270 top
NOREF#464  -  [buzzardLabel]  211.1 23.54 270 top
NOREF#465  -  [buzzardLabel]  95.2 19.54 270 top
NOREF#466  -  [buzzardLabel]  198.4 84.52 270 top
NOREF#467  -  [buzzardLabel]  59.7 112.76 270 top
NOREF#468  -  [buzzardLabel]  99.2 138.5 270 top
NOREF#469  -  [buzzardLabel]  168.1 108.76 270 top
NOREF#470  -  [buzzardLabel]  60.7 31.54 270 top
NOREF#471  -  [buzzardLabel]  73.2 153.2 270 top
NOREF#472  -  [buzzardLabel]  110.4 27.54 270 top
NOREF#473  -  [buzzardLabel]  57.4 153.94 270 top
NOREF#474  -  [buzzardLabel]  102.46 153.94 270 top
NOREF#475  -  [buzzardLabel]  102.7 142.5 270 top
NOREF#476  -  [buzzardLabel]  207.6 138.5 270 top
NOREF#477  -  [buzzardLabel]  102.7 53.28 270 top
NOREF#478  -  [buzzardLabel]  114.14 124.2 270 top
NOREF#479  -  [buzzardLabel]  48.26 153.94 270 top
NOREF#480  -  [buzzardLabel]  207.6 108.76 270 top
R1  5.1k  [0603R]  96.7 85.22 0 top
R1#2  5.1k  [0603R]  150.9 114.96 0 top
R1#3  5.1k  [0603R]  205.1 55.48 0 top
R1#4  5.1k  [0603R]  150.9 85.22 0 top
R1#5  5.1k  [0603R]  150.9 55.48 0 top
R1#6  5.1k  [0603R]  96.7 174.44 0 top
R1#7  5.1k  [0603R]  42.5 25.74 0 top
R1#8  5.1k  [0603R]  96.7 144.7 0 top
R1#9  5.1k  [0603R]  205.1 25.74 0 top
R1#10  5.1k  [0603R]  205.1 85.22 0 top
R1#11  5.1k  [0603R]  42.5 114.96 0 top
R1#12  5.1k  [0603R]  96.7 114.96 0 top
R1#13  5.1k  [0603R]  42.5 174.44 0 top
R1#14  5.1k  [0603R]  150.9 144.7 0 top
R1#15  5.1k  [0603R]  42.5 85.22 0 top
R1#16  5.1k  [0603R]  42.5 144.7 0 top
R1#17  5.1k  [0603R]  96.7 25.74 0 top
R1#18  5.1k  [0603R]  150.9 174.44 0 top
R1#19  5.1k  [0603R]  205.1 114.96 0 top
R1#20  5.1k  [0603R]  205.1 144.7 0 top
R1#21  5.1k  [0603R]  96.7 55.48 0 top
R1#22  5.1k  [0603R]  42.5 55.48 0 top
R1#23  5.1k  [0603R]  205.1 174.44 0 top
R1#24  5.1k  [0603R]  150.9 25.74 0 top
R2  5.1k  [0603R]  96.7 146.4 0 top
R2#2  5.1k  [0603R]  150.9 57.18 0 top
R2#3  5.1k  [0603R]  150.9 116.66 0 top
R2#4  5.1k  [0603R]  96.7 27.44 0 top
R2#5  5.1k  [0603R]  205.1 176.14 0 top
R2#6  5.1k  [0603R]  96.7 116.66 0 top
R2#7  5.1k  [0603R]  96.7 176.14 0 top
R2#8  5.1k  [0603R]  205.1 57.18 0 top
R2#9  5.1k  [0603R]  42.5 176.14 0 top
R2#10  5.1k  [0603R]  150.9 86.92 0 top
R2#11  5.1k  [0603R]  96.7 86.92 0 top
R2#12  5.1k  [0603R]  150.9 27.44 0 top
R2#13  5.1k  [0603R]  205.1 86.92 0 top
R2#14  5.1k  [0603R]  42.5 27.44 0 top
R2#15  5.1k  [0603R]  42.5 86.92 0 top
R2#16  5.1k  [0603R]  42.5 146.4 0 top
R2#17  5.1k  [0603R]  150.9 146.4 0 top
R2#18  5.1k  [0603R]  205.1 27.44 0 top
R2#19  5.1k  [0603R]  205.1 116.66 0 top
R2#20  5.1k  [0603R]  42.5 57.18 0 top
R2#21  5.1k  [0603R]  96.7 57.18 0 top
R2#22  5.1k  [0603R]  42.5 116.66 0 top
R2#23  5.1k  [0603R]  150.9 176.14 0 top
R2#24  5.1k  [0603R]  205.1 146.4 0 top
R3  2k2  [0402R]  206.6 121.76 90 top
R3#2  2k2  [0402R]  206.6 92.02 90 top
R3#3  2k2  [0402R]  44 181.24 90 top
R3#4  2k2  [0402R]  152.4 92.02 90 top
R3#5  2k2  [0402R]  98.2 181.24 90 top
R3#6  2k2  [0402R]  152.4 181.24 90 top
R3#7  2k2  [0402R]  152.4 121.76 90 top
R3#8  2k2  [0402R]  206.6 181.24 90 top
R3#9  2k2  [0402R]  44 151.5 90 top
R3#10  2k2  [0402R]  44 121.76 90 top
R3#11  2k2  [0402R]  98.2 32.54 90 top
R3#12  2k2  [0402R]  44 32.54 90 top
R3#13  2k2  [0402R]  206.6 151.5 90 top
R3#14  2k2  [0402R]  152.4 151.5 90 top
R3#15  2k2  [0402R]  98.2 121.76 90 top
